# Altium PCB DM1092.PcbDoc (part 2 of 5) (continued)
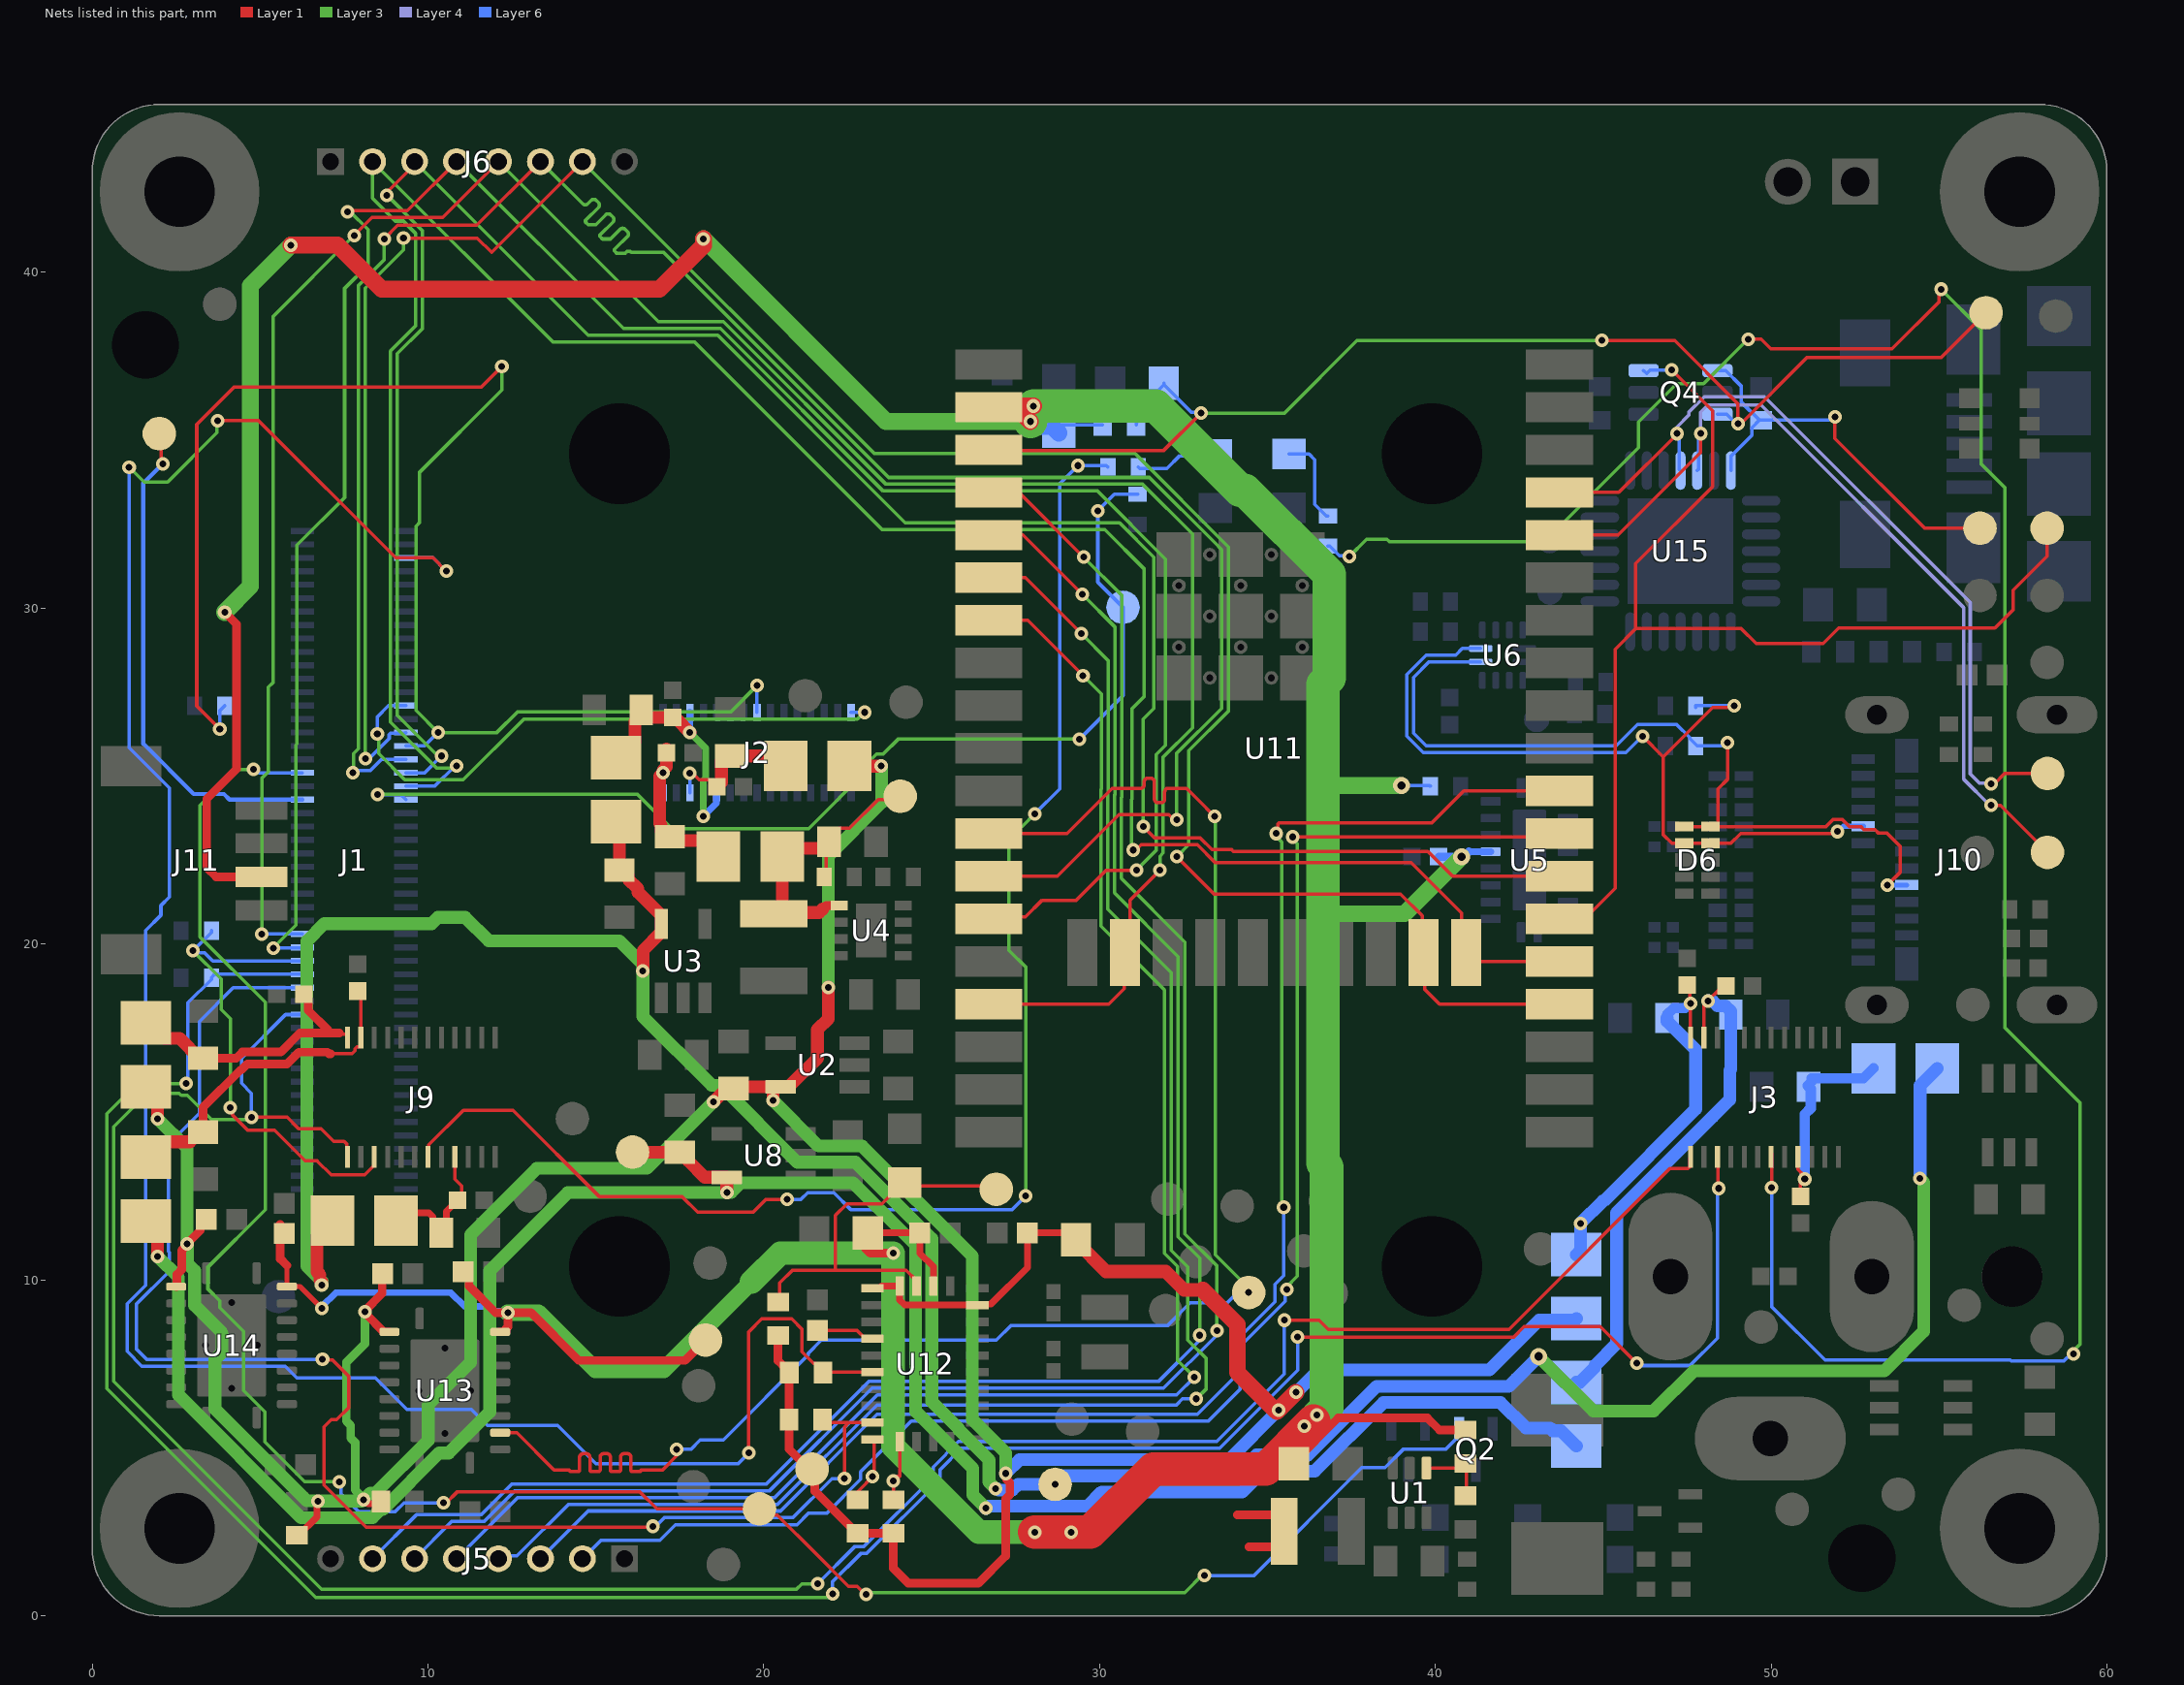
[diagram p6: the nets of this part, all layers, seen from the top]
## Part data (continued)
U5: library part HD3SS3212RKSR, "IC MUX 2:1 8 OHM 20VQFN", Case/Package=VQFN, Manufacturer 1="Texas Instruments", Max Operating Temperature=70°C, Max Supply Voltage=3.6V, Min Operating Temperature=0°C, Min Supply Voltage=3V, Supplier Part Number 1=296-42174-1-ND, Bandwidth=8GHz, ComponentLink1Description=http://www.ti.com/general/docs/lit/getliterature.tsp?genericPartNumber=HD3SS3212&&fileType=pdf&src-supplier=Avnet, ComponentLink1URL=http://www.ti.com/general/docs/lit/getliterature.tsp?genericPartNumber=HD3SS3212&&fileType=pdf&src-supplier=Avnet, ComponentLink2Description=http://www.ti.com/general/docs/lit/getliterature.tsp?genericPartNumber=HD3SS3212&amp;&amp;fileType=pdf&src-supplier=Farnell, ComponentLink2URL=http://www.ti.com/general/docs/lit/getliterature.tsp?genericPartNumber=HD3SS3212&amp;&amp;fileType=pdf&src-supplier=Farnell, ComponentLink3Description=http://www.ti.com/lit/ds/symlink/hd3ss3212.pdf?src-supplier=Digi-Key, ComponentLink3URL=http://www.ti.com/lit/ds/symlink/hd3ss3212.pdf?src-supplier=Digi-Key, ComponentLink4Description=http://www.ti.com/lit/gpn/hd3ss3212?src-supplier=Mouser, ComponentLink4URL=http://www.ti.com/lit/gpn/hd3ss3212?src-supplier=Mouser, ComponentLink5Description=http://www.ti.com/general/docs/lit/getliterature.tsp?genericPartNumber=HD3SS3212&&fileType=pdf&src-supplier=Element14, ComponentLink5URL=http://www.ti.com/general/docs/lit/getliterature.tsp?genericPartNumber=HD3SS3212&&fileType=pdf&src-supplier=Element14, Data Rate=480Mbps, Lead Free="Lead Free", Manufacturer Part Number 1=HD3SS3212RKSR, Mount=Standard, Number of Pins=20, Number of Ports=3, Packaging="Tape and Reel", Pricing 1="1=1.79000, 10=1.61000, 100=1.29440, 500=1.06348, 1000=0.88117 (USD)", REACH SVHC="No SVHC", RoHS=Yes, Stock 1=36674, Supplier 1=Digi-Key, USB Standard="USB 3.1"
U6: library part TUSB321RWBR, "IC USB PORT CONTROL TYPE-C 12X2Q", Manufacturer 1="Texas Instruments", Max Operating Temperature=70°C, Max Supply Voltage=5.5V, Min Operating Temperature=0°C, Min Supply Voltage=4.5V, Supplier Part Number 1=296-42400-1-ND, ComponentLink1Description=http://www.ti.com/general/docs/lit/getliterature.tsp?genericPartNumber=TUSB321&&fileType=pdf&src-supplier=Avnet+Asia, ComponentLink1URL=http://www.ti.com/general/docs/lit/getliterature.tsp?genericPartNumber=TUSB321&&fileType=pdf&src-supplier=Avnet+Asia, ComponentLink2Description=http://www.ti.com/general/docs/lit/getliterature.tsp?genericPartNumber=TUSB321&&fileType=pdf&src-supplier=Farnell, ComponentLink2URL=http://www.ti.com/general/docs/lit/getliterature.tsp?genericPartNumber=TUSB321&&fileType=pdf&src-supplier=Farnell, ComponentLink3Description=http://www.ti.com/lit/ds/symlink/tusb321.pdf?src-supplier=Digi-Key, ComponentLink3URL=http://www.ti.com/lit/ds/symlink/tusb321.pdf?src-supplier=Digi-Key, ComponentLink4Description=http://www.ti.com/general/docs/lit/getliterature.tsp?genericPartNumber=TUSB321&&fileType=pdf&src-supplier=Element14, ComponentLink4URL=http://www.ti.com/general/docs/lit/getliterature.tsp?genericPartNumber=TUSB321&&fileType=pdf&src-supplier=Element14, ComponentLink5Description=http://www.ti.com/general/docs/lit/getliterature.tsp?genericPartNumber=TUSB321&&fileType=pdf&src-supplier=Avnet, ComponentLink5URL=http://www.ti.com/general/docs/lit/getliterature.tsp?genericPartNumber=TUSB321&&fileType=pdf&src-supplier=Avnet, Contact Plating=Gold, Lead Free="Lead Free", Manufacturer Part Number 1=TUSB321RWBR, Mount="Surface Mount", Number of Pins=12, Number of Ports=1, Packaging="Tape and Reel", Pricing 1="1=2.27000, 10=2.04200, 100=1.64100, 500=1.34828, 1000=1.11714 (USD)", REACH SVHC="No SVHC", RoHS=Yes, Stock 1=7746, Supplier 1=Digi-Key, USB Standard="USB 3.1"
U8: "IC REG LINEAR 1.2V 200MA SC70-5", Case/Package=SC, Dropout Voltage=175mV, Manufacturer 1="Texas Instruments", Manufacturer Part Number 1=TLV70012DCKR, Manufacturer Part Number 2=TLV70012DCKT, Max Input Voltage=5.5V, Max Operating Temperature=125°C, Max Output Current=200mA, Max Output Voltage=1.2V, Max Power Dissipation=320mW, Min Current Limit=220mA, Min Input Voltage=2V, Min Operating Temperature=-40°C, Output Voltage Accuracy=2%, Package Quantity=1, Quiescent Current=30uA, Supplier Part Number 1=296-27438-1-ND, Accuracy=2%, ComponentLink1Description=https://datasheet.ciiva.com/26909/tlv70012dckr-26909420.pdf?src-supplier=IIIC, ComponentLink1URL=https://datasheet.ciiva.com/26909/tlv70012dckr-26909420.pdf?src-supplier=IIIC, ComponentLink2Description=https://datasheet.ciiva.com/46448/1836520-46448747.pdf?src-supplier=Element14, ComponentLink2URL=https://datasheet.ciiva.com/46448/1836520-46448747.pdf?src-supplier=Element14, ComponentLink3Description=http://components.arrow.com/part/dataview/48874348S9524109N7713?src-supplier=Arrow, ComponentLink3URL=http://components.arrow.com/part/dataview/48874348S9524109N7713?src-supplier=Arrow, ComponentLink4Description=http://components.arrow.com/part/dataview/0323_02210905?src-supplier=Arrow+Europe, ComponentLink4URL=http://components.arrow.com/part/dataview/0323_02210905?src-supplier=Arrow+Europe, ComponentLink5Description=http://www.ti.com/general/docs/lit/getliterature.tsp?genericPartNumber=TLV700&&fileType=pdf&src-supplier=Avnet, ComponentLink5URL=http://www.ti.com/general/docs/lit/getliterature.tsp?genericPartNumber=TLV700&&fileType=pdf&src-supplier=Avnet, ComponentLink6Description=http://focus.ti.com/lit/ds/symlink/tlv70033.pdf?src-supplier=Avnet, ComponentLink6URL=http://focus.ti.com/lit/ds/symlink/tlv70033.pdf?src-supplier=Avnet, ComponentLink7Description=http://www.ti.com/lit/ds/slvsa00e/slvsa00e.pdf?src-supplier=Digi-Key, ComponentLink7URL=http://www.ti.com/lit/ds/slvsa00e/slvsa00e.pdf?src-supplier=Digi-Key, ComponentLink8Description=http://www.ti.com/litv/slvsa00d?src-supplier=Mouser, ComponentLink8URL=http://www.ti.com/litv/slvsa00d?src-supplier=Mouser, Contact Plating=Gold, Lead Free="Lead Free", Manufacturer 2="Texas Instruments", Min Output Voltage=1.2V, Nominal Output Voltage=1.2V, Number of Outputs=1, Number of Pins=5, Number of Regulators=1, Output Current=200mA, Output Type=Fixed, Output Voltage=1.2V, Packaging="Tape and Reel", Polarity=Positive, Power Dissipation=320mW, Pricing 1="1=0.48000, 10=0.40900, 100=0.30570, 500=0.24020, 1000=0.18561 (USD)", Pricing 2="1=0.43000, 10=0.38000, 25=0.35000, 100=0.30000, 250=0.27000, 500=0.21000, 750=0.16000, 1000=0.14000 (USD)", Radiation Hardening=No, REACH SVHC="No SVHC", RoHS=Yes, Stock 1=8389, Stock 2=250, Supplier 1=Digi-Key, Supplier 2="TI store", Supplier Part Number 2=TLV70012DCKT
U9 U10: library part LM66100DCKR, "IC OR CTRLR IDEAL DIODE SC70-6", Manufacturer 1="Texas Instruments", Supplier Part Number 1=296-53541-1-ND, Category="Integrated Circuits (ICs)", Manufacturer Part Number 1=LM66100DCKR, Pricing 1="1=0.41000, 10=0.32900, 25=0.30120, 100=0.20300, 250=0.16800, 500=0.15400, 1000=0.11550 (USD)", RoHS=No, Stock 1=8042, Supplier 1=Digi-Key, Supplier 2=Digi-Key, Supplier 3=Mouser, Supplier 4=Arrow, Supplier Part Number 2=296-53541-2-ND, Supplier Part Number 3=595-LM66100DCKR, Supplier Part Number 4=LM66100DCKR
U11: library part ESP32-WROOM-32D, "ESP32-WROOM-32D MODULE: Wi-Fi/BT BLE, ESP32-D0WD, SPI Flash, UART, P", Case/Package=SMD/SMT, Frequency=2.5GHz, Manufacturer 1="Espressif Systems", Max Operating Temperature=85°C, Min Operating Temperature=-40°C, Supplier Part Number 1=1904-1023-1-ND, Category="RF Receivers, Transceivers", ComponentLink1Description=https://www.espressif.com/sites/default/files/documentation/esp32-wroom-32d_esp32-wroom-32u_datasheet_en.pdf?src-supplier=Digi-Key, ComponentLink1URL=https://www.espressif.com/sites/default/files/documentation/esp32-wroom-32d_esp32-wroom-32u_datasheet_en.pdf?src-supplier=Digi-Key, Data Rate=150Mbps, Interface=I2C,SPI,GPIO,PWM,SDIO,UART, Manufacturer Part Number 1=ESP32-WROOM-32D, Memory Size=536KB, Mount="Surface Mount", Packaging="Cut Tape", Pricing 1="1=3.80000 (USD)", RoHS=Yes, Sensitivity=-98dBm, Stock 1=2394, Supplier 1=Digi-Key, Supplier 2=Mouser, Supplier 3=Arrow, Supplier Part Number 2=356-ESP32WROOM-32D, Supplier Part Number 3=ESP32-WROOM-32D
U12: "IMU ACCEL/GYRO/MAG I2C 32BIT", Case/Package=LGA, Manufacturer 1="Hillcrest Laboratories", Max Operating Temperature=85°C, Min Operating Temperature=-40°C, Supplier Part Number 1=1888-1006-1-ND, Category="Inertial Measurement Units (IMUs)", ComponentLink1Description=https://www.hillcrestlabs.com/downloads/bno080-datasheet?src-supplier=Digi-Key, ComponentLink1URL=https://www.hillcrestlabs.com/downloads/bno080-datasheet?src-supplier=Digi-Key, ComponentLink2Description=https://www.hillcrestlabs.com/downloads/bno080-migration-guide?src-supplier=Digi-Key, ComponentLink2URL=https://www.hillcrestlabs.com/downloads/bno080-migration-guide?src-supplier=Digi-Key, Manufacturer Part Number 1=BNO085, Mount="Surface Mount", Output Type=SPI,I2C, Packaging="Tape and Reel", Pricing 1="1=11.85000, 5=10.31200, 10=9.28100, 25=8.25000, 50=7.63120, 100=6.60000, 500=6.18750, 1000=5.77500 (USD)", RoHS=No, Sensor Type=Accelerometer,Gyroscope,Magnetometer, Stock 1=11593, Supplier 1=Digi-Key
U13 U14: "IC TRNSLTR BIDIRECTIONAL 20VQFN", Case/Package=VQFN, High Level Output Current=-50mA, Low Level Output Current=50mA, Manufacturer 1="Texas Instruments", Max Operating Temperature=85°C, Max Supply Voltage=5.5V, Min Operating Temperature=-40°C, Min Supply Voltage=1.2V, Package Quantity=1, Quiescent Current=3uA, Supplier Part Number 1=296-24806-1-ND, Category="Integrated Circuits (ICs)", ComponentLink1Description=https://datasheet.ciiva.com/15096/getdatasheetpartid-189651-15096225.pdf?src-supplier=Verical, ComponentLink1URL=https://datasheet.ciiva.com/15096/getdatasheetpartid-189651-15096225.pdf?src-supplier=Verical, ComponentLink2Description=https://datasheet.ciiva.com/22659/1718976-22659572.pdf?src-supplier=Element14, ComponentLink2URL=https://datasheet.ciiva.com/22659/1718976-22659572.pdf?src-supplier=Element14, ComponentLink3Description=https://datasheet.ciiva.com/26185/txs0108e-26185177.pdf?src-supplier=Avnet+Europe, ComponentLink3URL=https://datasheet.ciiva.com/26185/txs0108e-26185177.pdf?src-supplier=Avnet+Europe, ComponentLink4Description=https://datasheet.ciiva.com/14287/txs0108e-14287692.pdf?src-supplier=Avnet, ComponentLink4URL=https://datasheet.ciiva.com/14287/txs0108e-14287692.pdf?src-supplier=Avnet, ComponentLink5Description=https://datasheet.ciiva.com/1899/txs0108e-1899610.pdf?src-supplier=Digi-Key, ComponentLink5URL=https://datasheet.ciiva.com/1899/txs0108e-1899610.pdf?src-supplier=Digi-Key, ComponentLink6Description=https://datasheet.ciiva.com/1899/txs0108e-1899611.pdf?src-supplier=Digi-Key, ComponentLink6URL=https://datasheet.ciiva.com/1899/txs0108e-1899611.pdf?src-supplier=Digi-Key, ComponentLink7Description=https://datasheet.ciiva.com/1899/txs0108e-1899612.pdf?src-supplier=Digi-Key, ComponentLink7URL=https://datasheet.ciiva.com/1899/txs0108e-1899612.pdf?src-supplier=Digi-Key, ComponentLink8Description=https://datasheet.ciiva.com/14287/txs0108e-14287533.pdf?src-supplier=Avnet, ComponentLink8URL=https://datasheet.ciiva.com/14287/txs0108e-14287533.pdf?src-supplier=Avnet, ComponentLink9Description=https://datasheet.ciiva.com/48701/001073880-da-01-en-ic-xlatr-volt-lv-txs0108ergyr-qfn-20-tid-48701964.pdf?src-supplier=Conrad, ComponentLink9URL=https://datasheet.ciiva.com/48701/001073880-da-01-en-ic-xlatr-volt-lv-txs0108ergyr-qfn-20-tid-48701964.pdf?src-supplier=Conrad, Data Rate=60Mbps, Lead Free="Lead Free", Logic Function=Translator, Manufacturer Part Number 1=TXS0108ERGYR, Mount="Surface Mount", Number of Bits=8, Number of Channels=8, Number of Inputs=8, Number of Pins=20, Output Type=Voltage, Packaging="Tape and Reel", Pricing 1="1=1.42000, 10=1.26600, 25=1.20120, 100=0.98670, 250=0.92236, 500=0.81510, 1000=0.64350 (USD)", Propagation Delay=4.8ns, Radiation Hardening=No, REACH SVHC="No SVHC", RoHS=Yes, Stock 1=122729, Supplier 1=Digi-Key, Supplier 2=Digi-Key, Supplier 3=Arrow, Supplier 4="TI store", Supplier 5=Mouser, Supplier Part Number 2=296-24806-2-ND, Supplier Part Number 3=TXS0108ERGYR, Supplier Part Number 4=TXS0108ERGYR, Supplier Part Number 5=595-TXS0108ERGYR, Turn-On Delay Time=312ns, Weight=0.001517oz
U15: "IC USB TO UART BRIDGE QFN28", Manufacturer 1="Silicon Labs", Supplier Part Number 1=336-5890-1-ND, Manufacturer Part Number 1=CP2102N-A02-GQFN28R, Pricing 1="1=1.40000, 25=1.35160, 100=1.29950 (USD)", RoHS=Yes, Stock 1=3731, Supplier 1=Digi-Key, Supplier 2=Digi-Key, Supplier 3=Mouser, Supplier 4=Verical, Supplier Part Number 2=336-5890-2-ND, Supplier Part Number 3=634-CP2102NA02QFN28R, Supplier Part Number 4=CP2102N-A02-GQFN28R
Y1: "CRYSTAL 32.768kHz ±20ppm Crystal 12.5pF 90 kOhms 2-SMD, No Lead", Case/Package=SMD/SMT, ESR (Equivalent Series Resistance)=90kR, Frequency=32.768kHz, Frequency Tolerance=20ppm, Load Capacitance=12.5pF, Manufacturer 1=Abracon, Max Operating Temperature=85°C, Min Operating Temperature=-40°C, Supplier Part Number 1=535-14513-1-ND, ComponentLink1Description=http://www.farnell.com/datasheets/2614114.pdf?src-supplier=Farnell, ComponentLink1URL=http://www.farnell.com/datasheets/2614114.pdf?src-supplier=Farnell, ComponentLink2Description=https://abracon.com/datasheets/ABS06-127-32.768kHz-T.pdf?src-supplier=Digi-Key, ComponentLink2URL=https://abracon.com/datasheets/ABS06-127-32.768kHz-T.pdf?src-supplier=Digi-Key, ComponentLink3Description=http://www.farnell.com/datasheets/2614114.pdf?src-supplier=Newark, ComponentLink3URL=http://www.farnell.com/datasheets/2614114.pdf?src-supplier=Newark, Manufacturer Part Number 1=ABS06-127-32.768KHZ-T, Mount="Surface Mount", Packaging="Tape and Reel", Pricing 1="1=0.69000, 10=0.60700, 50=0.56760, 100=0.50160, 500=0.47520, 1000=0.39600 (USD)", RoHS=Yes, Stock 1=1640, Supplier 1=Digi-Key, Supplier 2=Digi-Key, Supplier 3=Mouser, Supplier 4=Verical, Supplier Part Number 2=535-14513-6-ND, Supplier Part Number 3=815-ABS0612732.768KT, Supplier Part Number 4=ABS06-127-32.768KHZ-T

## Free pads (board coordinates)
  round 1.524 hole 2 unplated: 1(1.586,37.839) 1(52.707,1.712)

## Via types
v1: diameter 0.406, hole 0.203, Layer 1 to Layer 6, tented both sides, 457 vias
v2: diameter 0.508, hole 0.254, Layer 1 to Layer 6, 16 vias
v3: diameter 0.508, hole 0.254, Layer 1 to Layer 6, tented both sides, 5 vias
v4: diameter 0.406, hole 0.203, Layer 1 to Layer 6, tented bottom, 2 vias

## Nets (pads, with @x,y where several pads share a name; then routed paths per layer and width w, separated by ;. In a path a pad name is that pad's centre, name@x,y a point inside that pad or via, vN(x,y) a via of type N, cw(c..) or ccw(c..) an arc to the next point about the centre after c; other vN are vias at no path point)
1V2: C39.2 FB6.1 FB9.1 TP10.1 U8.5 | length 67.9
  Layer 1 w0.381: FB9.1@1.6,11.75 1.944,11.406 v1(1.944,10.7) ; TP10.1@16.321,13.804 16.322,13.802 17.498,13.802 C39.2@17.5,13.8 17.6,13.8 17.759,13.641 17.759,13.541 18.241,13.06 18.89,13.06 U8.5@18.9,13.05 v1(18.9,12.6)
  Layer 3 w0.381: v1(1.944,10.7) 2.567,10.078 2.567,6.569 6.217,2.919 8.345,2.919 8.598,3.172 8.658,3.172 10.329,4.844 10.617,4.844 11.838,6.065 11.838,10.277 14.161,12.6 v1(18.9,12.6) 18.905,12.605 19.026,12.605 19.315,12.894 22.658,12.894 24.522,11.029 24.522,6.085 26.228,4.379 26.228,3.592 v1(26.619,3.2)
  Layer 6 w0.381: v1(26.619,3.2) 26.626,3.2 26.689,3.263 29.642,3.263 30.062,3.683 34.254,3.683 34.876,4.305 36.405,4.305 38.452,6.352 41.934,6.352 42.697,5.588 43.417,5.588 43.496,5.51 43.741,5.51 FB6.1@44.2,5.05
1V2_L: C7.2 C8.2 FB6.2 J3.2 | length 15.6
  Layer 1 w0.102: J3.2@47.981,17.424 48,17.444 48,18.191 v1@48.118,18.308 ; v1(48.125,18.308) v1@48.118,18.308 ; C7.2@48.65,18.75 48.454,18.553 48.454,18.644 v1@48.118,18.308
  Layer 6 w0.381: FB6.2@44.2,6.95 44.3,6.95 44.76,7.41 44.76,7.46 45.4,8.1 45.4,11.999 48.257,14.856 48.768,15.367 48.768,16.237 48.8,16.269 48.8,18 48.641,18.159 48.404,18.159 48.26,18.304 48.13,18.304 v1(48.125,18.308)
1V2_R: C23.2 C24.2 FB9.2 J9.2 | length 9.9
  Layer 1 w0.102: 7.095,16.734 7.098,16.737 7.737,16.737 7.826,16.826 7.826,16.879 7.885,16.939 7.976,16.939 8,16.963 J9.2@8,17.213 8,18.5 C23.2@7.9,18.6
  Layer 1 w0.254: C24.2@3.3,14.4 3.3,15.131 4.415,16.246 4.438,16.246 4.622,16.43 5.802,16.43 6.154,16.782 7,16.782 7.048,16.734 7.095,16.734
  Layer 1 w0.381: FB9.2@1.6,13.65 2.06,14.109 2.909,14.109 3.2,14.4 C24.2@3.3,14.4
1V05: C22.2 FB3.1 L1.2 R7.2 TP13.1 U4.5 | length 8.9
  Layer 1 w0.102: R7.2@21.8,22 21.808,22 21.851,22.043 C22.2@21.851,22.85 ; C22.2@21.947,23.046 21.947,23.146 22.247,23.445 22.555,23.445 23.41,24.3 23.961,24.3 TP13.1@24.063,24.402
  Layer 1 w0.254: 21.755,21.046 21.859,21.15 U4.5@22.25,21.15
  Layer 1 w0.381: L1.2@20.3,20.9 L1.2@20.498,21.098 ; L1.2@20.498,20.939 21.648,20.939 21.755,21.046 ; L1.2@20.55,21.046 FB3.1@20.55,22.6 20.8,22.85 21.851,22.85 21.947,22.946 C22.2@21.947,23.046
1V05_IMX378: C1.2 C2.2 FB3.2 J2.15 | length 5.1
  Layer 1 w0.381: C1.2@17.1,25.8 17.1,25.276 17,25.176 17,25.093 16.9,24.993 16.9,23.583 16.94,23.542 16.94,23.36 17.1,23.2 C2.2@17.2,23.2 ; C2.2@17.2,23.05 17.229,23.079 18.191,23.079 18.65,22.619 FB3.2@18.65,22.6
  Layer 6 w0.102: J2.15@17,24.5 v1(17,25.1)
1V8: C18.2 C43.2 C45.2 C50.2 C52.2 FB2.1 FB5.1 FB8.1 R29.2 R30.2 R35.2 R37.1 R38.1 R39.2 R40.1 TP11.1 U2.5 U12.5 U12.6 U12.28 U13.2 U14.2 | length 128.8
  Layer 1 w0.102: C43.2@29.3,11.2 C43.2@29.306,11.194
  Layer 1 w0.2: R40.1@5.875,2.225 6.05,2.4 R40.1@6.1,2.4 6.15,2.4 6.689,2.939 6.689,3.373 v1(6.728,3.413) ; v1@8.207,3.334 8.515,3.334 8.6,3.25 R39.2@8.6,3.2 ; U12.6@23.237,9.75 23.45,9.75 23.513,9.813 U12.5@24.05,9.813 24.05,9.4 24.2,9.25 U12.28@26.363,9.25 26.388,9.275 26.76,9.275 27.85,10.365 C45.2@27.85,11.4 29.15,11.4 29.28,11.27 29.28,11.22 C43.2@29.3,11.2
  Layer 1 w0.254: U14.2@2.5,9.8 2.515,9.8 2.522,9.807 2.522,10.159 2.663,10.3 2.663,10.874 2.826,11.037 v1(2.826,11.078) 3.217,11.469 3.217,11.617 C52.2@3.4,11.8 ; C50.2@8.65,10.3 8.636,10.286 8.636,9.602 8.125,9.091 v1(8.125,9.057) 8.154,9.028 8.154,8.98 8.684,8.45 U13.2@8.85,8.45 ; R35.2@20.422,8.339 20.422,7.597 20.645,7.373 20.675,7.373 20.76,7.289 R29.2@20.76,7.239 20.755,7.234 20.755,5.847 R30.2@20.75,5.842 20.75,4.967 21.353,4.364 TP11.1@21.439,4.364 21.522,4.28 21.522,3.709 22.595,2.637 22.595,2.605 22.743,2.457 R38.1@23.705,2.457 ; R38.1@23.725,2.457 R38.1@23.859,2.457 23.859,1.414 24.308,0.965 26.391,0.965 27.202,1.777 27.202,3.48 27.329,3.606 27.329,3.963 27.231,4.06 27.231,4.208 v1(27.202,4.238)
  Layer 1 w0.381: FB8.1@1.6,15.75 1.944,15.406 v1(1.944,14.8) ; v1(18.5,15.3) 18.74,15.54 18.94,15.54 C18.2@19.1,15.7 ; C18.2@19.15,15.75 U2.5@20.279,15.75 ; v1(20.279,15.344) U2.5@20.279,15.75 ; v1(21.923,18.713) 21.923,17.778 21.6,17.455 21.6,16.6 20.75,15.75 U2.5@20.5,15.75 U2.5@20.279,15.75 ; FB2.1@22.55,25.3 v1(23.5,25.3)
  Layer 1 w0.4: C43.2@29.306,11.144 30.197,10.253 31.965,10.253 32.518,9.7 33.073,9.7
  Layer 1 w0.5: C43.2@29.306,11.144 C43.2@29.306,11.194 ; 33.073,9.7 34.106,8.668 34.106,7.246 v1@35.272,6.079 ; v1@35.291,6.098 v1(35.846,6.653)
  Layer 3 w0.254: v1(8.077,3.457) 8.077,3.499 7.83,3.745 7.83,5.161 7.699,5.293 7.699,5.666 7.57,5.795 7.57,7.548 8.125,8.103 v1(8.125,9.057)
  Layer 3 w0.381: v1(1.944,14.8) 2.826,13.918 v1(2.826,11.078) 2.831,11.073 2.831,10.494 3.048,10.277 3.048,9.24 3.869,8.419 3.869,7.846 3.656,7.633 3.656,6.16 6.398,3.418 6.723,3.418 v1(6.728,3.413) ; v1@6.734,3.419 6.74,3.413 8.026,3.413 8.07,3.457 v1(8.077,3.457) 8.084,3.457 8.28,3.653 8.438,3.653 10.006,5.222 10.006,6.283 11.268,7.545 11.268,11.346 13.243,13.321 16.521,13.321 v1(18.5,15.3) ; v1@20.279,15.332 20.284,15.332 21.632,13.984 22.931,13.984 26.213,10.702 26.213,5.842 27.202,4.853 v1(27.202,4.238) ; v1(21.923,18.713) 21.923,22.625 23.508,24.209 23.508,25.308 v1(23.5,25.3)